# Allegro board ADRV9371-N_PCBZ_Layout_RevB.brd (continued)
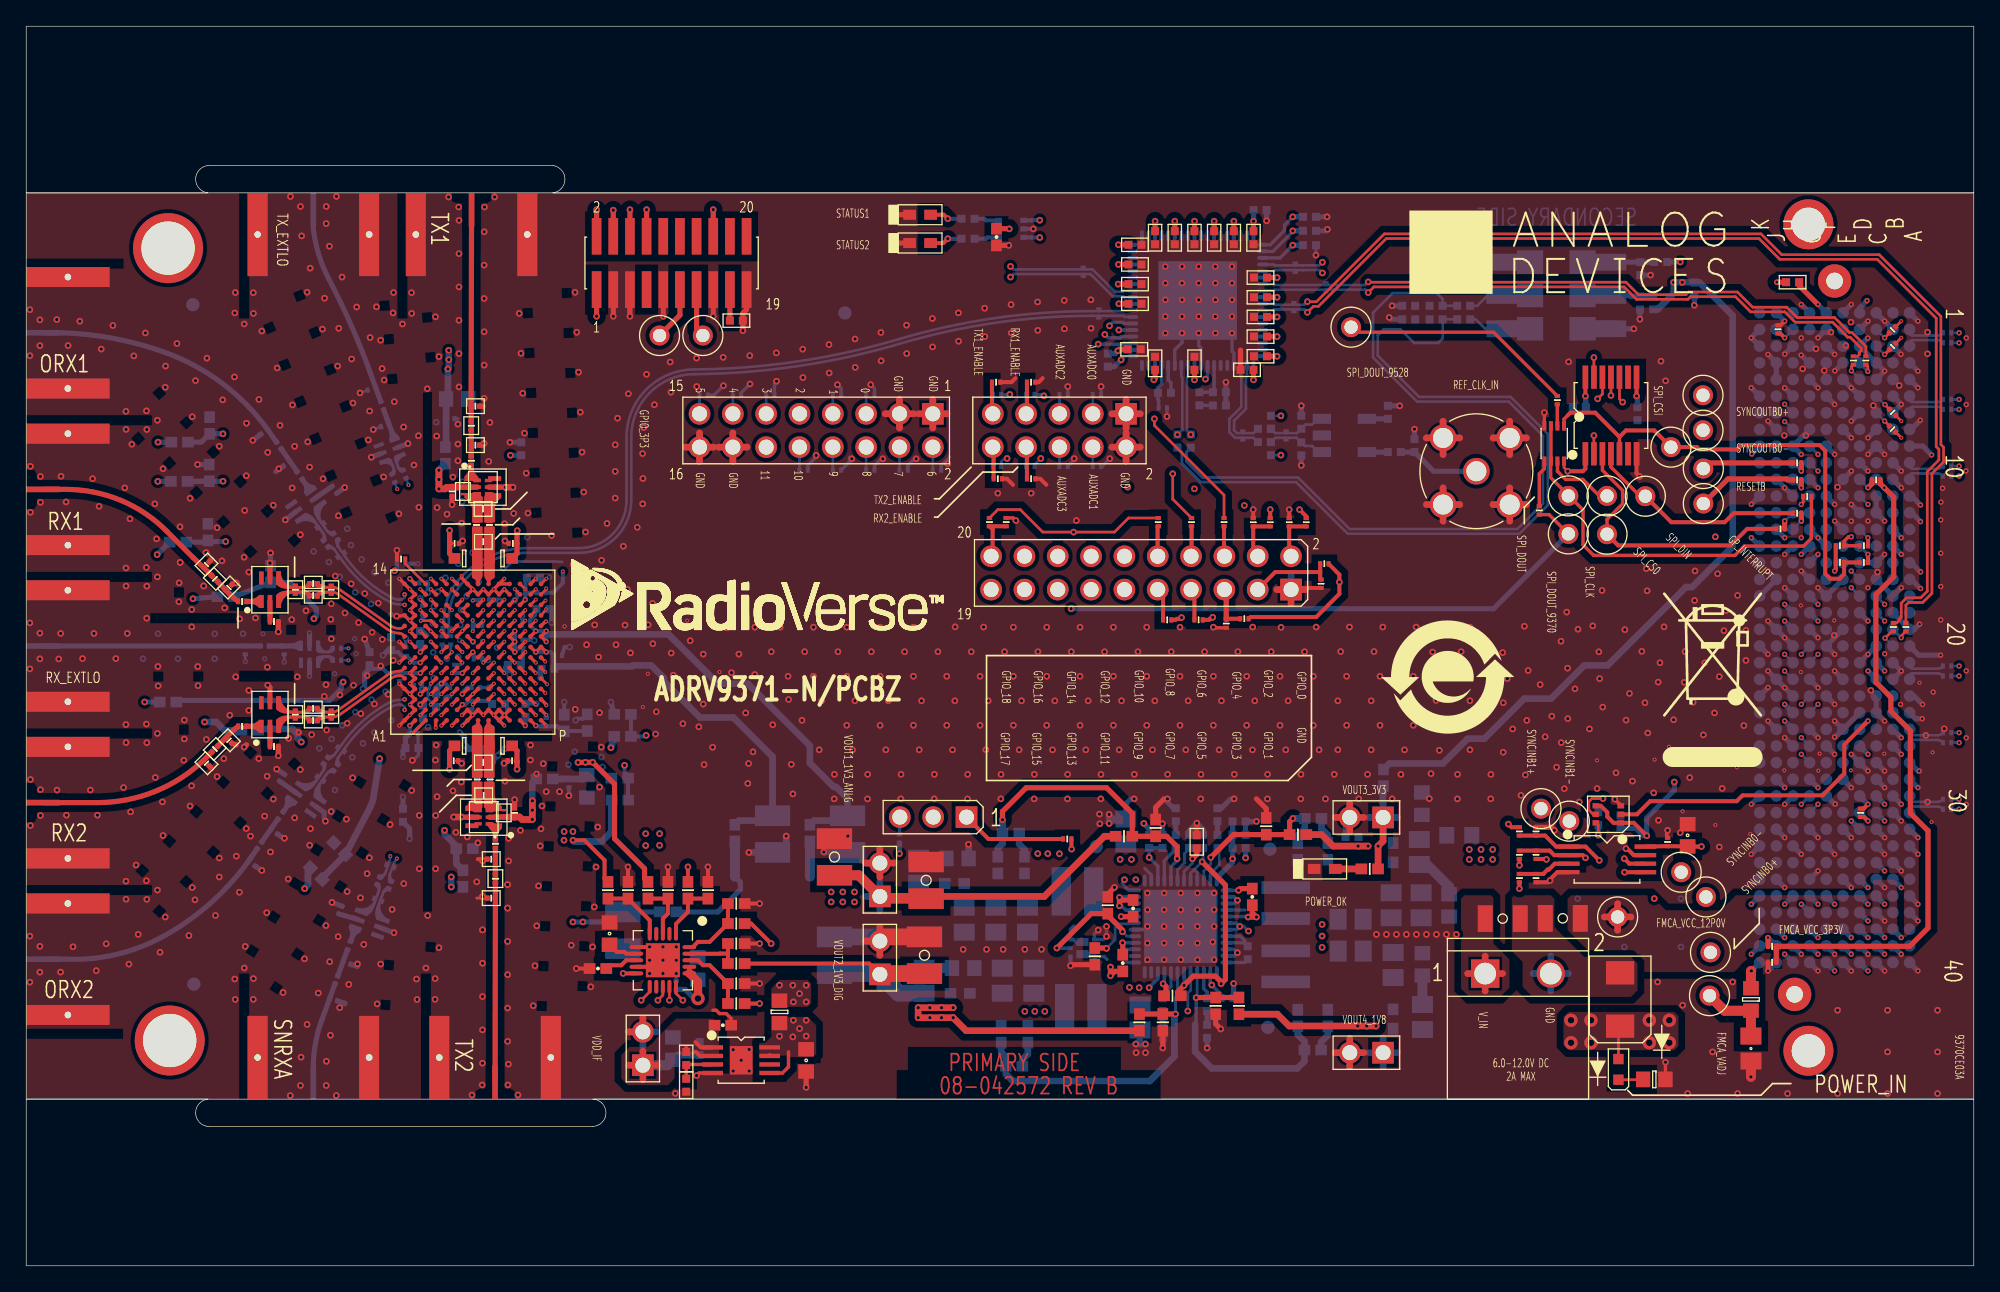
[diagram p0: board, top side]
## Footprints (pads in the part's own frame, mm; a bottom-side part is the same pattern mirrored in y, then rotated) (continued)
CNSAMTECTSW-108-08-G-D-ST
  rect 1.651x1.651 hole 1.143: 1(0,0)
  round 1.651 hole 1.143: 2(0,2.54) 3(2.54,0) 4(2.54,2.54) 5(5.08,0) 6(5.08,2.54) 7(7.62,0) 8(7.62,2.54) 9(10.16,0) 10(10.16,2.54) 11(12.7,0) 12(12.7,2.54) 13(15.24,0) 14(15.24,2.54) 15(17.78,0) 16(17.78,2.54)
CNWIELAND3225
  rect 2.159x2.159 hole 1.651: 1(0,0)
  round 2.159 hole 1.651: 2(5,0)
DO214AA3
  rect 1.778x2.159 smd: A(2.032,0) C(-2.032,0)
ETC1
  rect 0.762x1.397 smd: 1(-1.27,1.714) 2(0,1.714) 3(1.27,1.714) 4(1.27,-1.714) 5(-1.27,-1.714)
F1206
  rect 1.143x2.032 smd: 1(-1.333,0) 2(1.333,0)
L0201
  rect 0.178x0.33 smd: 1(-0.203,0) 2(0.203,0)
L0402
  rect 0.889x0.813 smd: 1(-0.635,0) 2(0.635,0)
L0603
  rect 0.889x0.813 smd: 1(-0.737,0)
  rect 0.594x0.813 smd: 2(0.737,0)
L0603#2
  rect 0.583x0.813 smd: 1(-0.737,0)
  rect 0.889x0.813 smd: 2(0.737,0)
L0603#3
  rect 0.889x0.813 smd: 1(-0.737,0) 2(0.737,0)
L0805
  rect 1.143x1.27 smd: 1(-0.953,0) 2(0.953,0)
LCC4H210
  rect 1.27x2.286 smd: 1(-2.54,-3.556) 2(2.54,-3.556) 3(2.54,3.556) 4(-2.54,3.556)
LED0603
  rect 0.965x0.762 smd: A(0.8,0) C(-0.8,0)
LED0603-2
  rect 0.787x0.787 smd: A(0.787,0) C(-0.787,0)
LSMSQ157H83
  rect 1.473x3.683 smd: 1(-1.232,0) 2(1.232,0)
LSMSQ157H122
  rect 0.965x3.708 smd: 1(-1.181,0) 2(1.181,0)
MSOP8_PAD2_16X1_73
  rect 0.33x1.575 smd: 1(-0.975,-2.171) 2(-0.325,-2.171) 3(0.325,-2.171) 4(0.975,-2.171) 5(0.975,2.171) 6(0.325,2.171) 7(-0.325,2.171) 8(-0.975,2.171)
  rect 2.159x1.727 smd: PAD(0,0)
POWERPAKSC70-6
  rect 0.305x0.33 smd: 1(-0.65,-0.91) 2(0,-0.91) 3(0.65,-0.91) 4(0.65,0.91) 5(0,0.91) 6(-0.65,0.91)
  rect 0.61x0.94 smd: PAD1(-0.465,0) PAD2(0.465,0)
QFN20_4X4_PAD2_6X2_6
  oval 0.305x1.041 smd: 1(-1,-2.019) 2(-0.5,-2.019) 3(0,-2.019) 4(0.5,-2.019) 5(1,-2.019) 11(1,2.019) 12(0.5,2.019) 13(0,2.019) 14(-0.5,2.019) 15(-1,2.019)
  oval 1.041x0.305 smd: 6(2.019,-1) 7(2.019,-0.5) 8(2.019,0) 9(2.019,0.5) 10(2.019,1) 16(-2.019,1) 17(-2.019,0.5) 18(-2.019,0) 19(-2.019,-0.5) 20(-2.019,-1)
  rect 2.591x2.591 smd: PAD(0,0)
QFN48_7X7_PAD5_6X5_6
  oval 0.305x0.94 smd: 1(-2.75,-3.5) 2(-2.25,-3.5) 3(-1.75,-3.5) 4(-1.25,-3.5) 5(-0.75,-3.5) 6(-0.25,-3.5) 7(0.25,-3.5) 8(0.75,-3.5) 9(1.25,-3.5) 10(1.75,-3.5) 11(2.25,-3.5) 12(2.75,-3.5) 25(2.75,3.5) 26(2.25,3.5) 27(1.75,3.5) 28(1.25,3.5) 29(0.75,3.5) 30(0.25,3.5) 31(-0.25,3.5) 32(-0.75,3.5) 33(-1.25,3.5) 34(-1.75,3.5) 35(-2.25,3.5) 36(-2.75,3.5)
  oval 0.94x0.305 smd: 13(3.5,-2.75) 14(3.5,-2.25) 15(3.5,-1.75) 16(3.5,-1.25) 17(3.5,-0.75) 18(3.5,-0.25) 19(3.5,0.25) 20(3.5,0.75) 21(3.5,1.25) 22(3.5,1.75) 23(3.5,2.25) 24(3.5,2.75) 37(-3.5,2.75) 38(-3.5,2.25) 39(-3.5,1.75) 40(-3.5,1.25) 41(-3.5,0.75) 42(-3.5,0.25) 43(-3.5,-0.25) 44(-3.5,-0.75) 45(-3.5,-1.25) 46(-3.5,-1.75) 47(-3.5,-2.25) 48(-3.5,-2.75)
  rect 5.588x5.588 smd: PAD(0,0)
QFN72_10X10_PAD5_3X5_3
  oval 0.305x0.838 smd: 1(-4.25,-4.95) 2(-3.75,-4.95) 3(-3.25,-4.95) 4(-2.75,-4.95) 5(-2.25,-4.95) 6(-1.75,-4.95) 7(-1.25,-4.95) 8(-0.75,-4.95) 9(-0.25,-4.95) 10(0.25,-4.95) 11(0.75,-4.95) 12(1.25,-4.95) 13(1.75,-4.95) 14(2.25,-4.95) 15(2.75,-4.95) 16(3.25,-4.95) 17(3.75,-4.95) 18(4.25,-4.95) 37(4.25,4.95) 38(3.75,4.95) 39(3.25,4.95) 40(2.75,4.95) 41(2.25,4.95) 42(1.75,4.95) 43(1.25,4.95) 44(0.75,4.95) 45(0.25,4.95) 46(-0.25,4.95) 47(-0.75,4.95) 48(-1.25,4.95) 49(-1.75,4.95) 50(-2.25,4.95) 51(-2.75,4.95) 52(-3.25,4.95) 53(-3.75,4.95) 54(-4.25,4.95)
  oval 0.838x0.305 smd: 19(4.95,-4.25) 20(4.95,-3.75) 21(4.95,-3.25) 22(4.95,-2.75) 23(4.95,-2.25) 24(4.95,-1.75) 25(4.95,-1.25) 26(4.95,-0.75) 27(4.95,-0.25) 28(4.95,0.25) 29(4.95,0.75) 30(4.95,1.25) 31(4.95,1.75) 32(4.95,2.25) 33(4.95,2.75) 34(4.95,3.25) 35(4.95,3.75) 36(4.95,4.25) 55(-4.95,4.25) 56(-4.95,3.75) 57(-4.95,3.25) 58(-4.95,2.75) 59(-4.95,2.25) 60(-4.95,1.75) 61(-4.95,1.25) 62(-4.95,0.75) 63(-4.95,0.25) 64(-4.95,-0.25) 65(-4.95,-0.75) 66(-4.95,-1.25) 67(-4.95,-1.75) 68(-4.95,-2.25) 69(-4.95,-2.75) 70(-4.95,-3.25) 71(-4.95,-3.75) 72(-4.95,-4.25)
  rect 5.994x5.994 smd: PAD(0,0)
R0201
  rect 0.305x0.406 smd: 1(-0.318,0) 2(0.318,0)
R0402
  rect 0.61x0.61 smd: 1(-0.495,0) 2(0.495,0)
R0402#2
  rect 0.889x0.813 smd: 1(-0.635,0) 2(0.635,0)
R0603
  rect 1.092x1.194 smd: 1(-0.851,0) 2(0.851,0)
SC70
  rect 0.406x0.508 smd: 1(-0.65,-0.95) 2(0,-0.95) 3(0.65,-0.95) 4(0.65,0.95) 5(0,0.95) 6(-0.65,0.95)
SC70-6
  rect 0.406x0.508 smd: 1(-0.65,-0.95) 2(0,-0.95) 3(0.65,-0.95) 4(0.65,0.95) 5(0,0.95) 6(-0.65,0.95)
T0603-6P
  rect 0.254x0.559 smd: 1(-0.504,-0.43) 2(0,-0.43) 3(0.504,-0.43) 4(0.504,0.43) 5(0,0.43) 6(-0.504,0.43)
T0805_A
  rect 0.305x0.787 smd: 1(-0.65,-0.644) 2(0,-0.644) 3(0.65,-0.644) 4(0.65,0.644) 5(0,0.644) 6(-0.65,0.644)
TSSOP8
  rect 0.33x1.651 smd: 1(-0.975,-2.92) 2(-0.325,-2.92) 3(0.325,-2.92) 4(0.975,-2.92) 5(0.975,2.92) 6(0.325,2.92) 7(-0.325,2.92) 8(-0.975,2.92)
TSSOP14
  rect 0.432x1.778 smd: 1(-1.95,-2.92) 2(-1.3,-2.92) 3(-0.65,-2.92) 4(0,-2.92) 5(0.65,-2.92) 6(1.3,-2.92) 7(1.95,-2.92) 8(1.95,2.92) 9(1.3,2.92) 10(0.65,2.92) 11(0,2.92) 12(-0.65,2.92) 13(-1.3,2.92) 14(-1.95,2.92)
unnamed#2
  round 3.81 hole 2.54 unplated: (0,0)
unnamed#3
  round 5.334 hole 4.064 unplated: (0,0)
unnamed#4
  round 1.016 smd: (0,0)
US8
  rect 0.305x0.711 smd: 1(-0.75,-1.343) 2(-0.25,-1.343) 3(0.25,-1.343) 4(0.75,-1.343) 5(0.75,1.343) 6(0.25,1.343) 7(-0.25,1.343) 8(-0.75,1.343)
XFMR2450BL15B050
  rect 0.356x0.991 smd: 1(-0.656,-0.895) 2(0,-0.895) 3(0.656,-0.895) 4(0.656,0.895) 5(0,0.895) 6(-0.656,0.895)
YSML276W197H71
  rect 1.803x2.007 smd: 1(-2.54,-2) 2(0,-2) 3(2.54,-2) 4(2.54,2) 5(0,2) 6(-2.54,2)
YSML555W358H240
  rect 1.27x2.54 smd: 1(-2.54,-4.064) 2(0,-4.064) 3(2.54,-4.064) 4(2.54,4.064) 5(0,4.064) 6(-2.54,4.064)

## Nets
AGND: C200.2(N2) C202.2(N2) C203.2(N2) C208.2(N2) C211.2(N2) C212.2(N2) C217.2(N2) C219.2(N2) C220.2(N2) C225.2(N2) C227.2(N2) C228.2(N2) C233.2(N2) C235.2(N2) C236.1(N1) C307.2(N2) C308.2(N2) C315.2(N2) C316.2(N2) C320.2(N2) C321.2(N2) C322.2(N2) C323.2(N2) C324.2(N2) C325.2(N2) C326.2(N2) C327.2(N2) C328.2(N2) C329.2(N2) C330.2(N2) C331.2(N2) C334.2(N2) C335.2(N2) C404.2(N2) C405.1(N1) C406.1(N1) C410.1(N1) C411.1(N1) C413.2(N2) C414.1(N1) C415.1(N1) C416.1(N1) C417.1(N1) C418.1(N1) C419.1(N1) C420.2(N2) C421.1(N1) C422.1(N1) C423.1(N1) C424.1(N1) C425.1(N1) C426.1(N1) C427.1(N1) C428.1(N1) C429.1(N1) C430.1(N1) C431.1(N1) C432.1(N1) C433.1(N1) C434.1(N1) C435.1(N1) C436.1(N1) C437.1(N1) C438.1(N1) C439.1(N1) C503.2(N2) C504.2(N2) C505.2(N2) C506.2(N2) C523.2(N2) C524.2(N2) C525.2(N2) C526.2(N2) C527.2(N2) C528.2(N2) C529.2(N2) C530.2(N2) C531.2(N2) C532.2(N2) C601.2(N2) C602.2(N2) C603.2(N2) C604.2(N2) C605.2(N2) C606.2(N2) C608.2(N2) C609.2(N2) C610.2(N2) C611.2(N2) C612.2(N2) C613.2(N2) C614.2(N2) C615.2(N2) C616.2(N2) C617.2(N2) C618.2(N2) C619.2(N2) C620.2(N2) C621.2(N2) C622.2(N2) C623.2(N2) C624.2(N2) C625.2(N2) C626.2(N2) C627.2(N2) C628.2(N2) C629.2(N2) C630.2(N2) C631.2(N2) C632.2(N2) C633.2(N2) C634.2(N2) C635.2(N2) C636.2(N2) C637.2(N2) C638.2(N2) C639.2(N2) C640.2(N2) C641.2(N2) C642.2(N2) C643.2(N2) C644.2(N2) C645.2(N2) C646.2(N2) C647.2(N2) C648.2(N2) C649.2(N2) C650.2(N2) C651.2(N2) C652.2(N2) C653.2(N2) C654.2(N2) C701.2(N2) C702.1(N1) C703.1(N1) C704.1(N1) C705.2(N2) C706.1(N1) C707.2(N2) C708.1(N1) C709.2(N2) C710.1(N1) C711.1(N1) C712.1(N1) C721.2(N2) C722.2(N2) C723.2(N2) C725.2(N2) C726.2(N2) C728.2(N2) C730.2(N2) C732.2(N2) C733.1(N1) C734.1(N1) C735.1(N1) C736.2(N2) C737.1(N1) C738.1(N1) C739.2(N2) C803.1(N1) C804.2(N2) D401.C(N) D402.C(N) DS702.C(N) J200.2(SH1) J200.3(SH2) J200.4(SH3) J200.5(SH4) J201.2(SH1) J201.3(SH2) J201.4(SH3) J201.5(SH4) J202.2(SH1) J202.3(SH2) J202.4(SH3) J202.5(SH4) J203.2(SH1) J203.3(SH2) J203.4(SH3) J203.5(SH4) J204.2(SH1) J204.3(SH2) J204.4(SH3) J204.5(SH4) J305.2(SH1) J305.3(SH2) J305.4(SH3) J305.5(SH4) J306.2(SH1) J306.3(SH2) J306.4(SH3) J306.5(SH4) J307.2(SH1) J307.3(SH2) J307.4(SH3) J307.5(SH4) J308.2(SH1) J308.3(SH2) J308.4(SH3) J308.5(SH4) J401.2(SH1) J401.3(SH2) J401.4(SH3) J401.5(SH4) L200.1(N1) L202.1(N1) L208.1(N1) L211.1(N1) L217.1(N1) L219.1(N1) L225.1(N1) L227.1(N1) L233.1(N1) L235.1(N1) L323.1(N1) L324.1(N1) L328.1(N1) L329.1(N1) P501.1(N1) P501.2(N2) P502.1(N1) P503.1(N1) P503.3(N2) P503.14(N7) P503.16(N8) P504.3(N2) P504.5(N3) P504.9(N5) P504.15(N8) P504.19(N10) P701.2(N2) P703.2(N2) P704.2(N2) P705.2(N2) P706.2(N2) P707.2(N2) P801.A1(N1) P801.A4(N4) P801.A5(N5) P801.A8(N8) P801.A9(N9) P801.A12(N12) P801.A13(N13) P801.A16(N16) P801.A17(N17) P801.A20(N20) P801.A21(N21) P801.A24(N24) P801.A25(N25) P801.A28(N28) P801.A29(N29) P801.A32(N32) P801.A33(N33) P801.A36(N36) P801.A37(N37) P801.A40(N40) P801.B2(N2) P801.B3(N3) P801.B6(N6) P801.B7(N7) P801.B10(N10) P801.B11(N11) P801.B14(N14) P801.B15(N15) P801.B18(N18) P801.B19(N19) P801.B22(N22) P801.B23(N23) P801.B26(N26) P801.B27(N27) P801.B30(N30) P801.B31(N31) P801.B34(N34) P801.B35(N35) P801.B38(N38) P801.B39(N39) P801.C1(N1) P801.C4(N4) P801.C5(N5) P801.C8(N8) P801.C9(N9) P801.C12(N12) P801.C13(N13) P801.C16(N16) P801.C17(N17) P801.C20(N20) P801.C21(N21) P801.C24(N24) P801.C25(N25) P801.C28(N28) P801.C29(N29) P801.C32(N32) P801.C33(N33) P801.C36(N36) P801.C38(N38) P801.C40(N40) P801.D2(N2) P801.D3(N3) P801.D6(N6) P801.D7(N7) P801.D10(N10) P801.D13(N13) P801.D16(N16) P801.D19(N19) P801.D22(N22) P801.D25(N25) P801.D28(N28) P801.D37(N37) P801.D39(N39) P801.E1(N1) P801.E4(N4) P801.E5(N5) P801.E8(N8) P801.E11(N11) P801.E14(N14) P801.E17(N17) P801.E20(N20) P801.E23(N23) P801.E26(N26) P801.E29(N29) P801.E32(N32) P801.E35(N35) P801.E38(N38) P801.E40(N40) P801.F2(N2) P801.F3(N3) P801.F6(N6) P801.F9(N9) P801.F12(N12) P801.F15(N15) P801.F18(N18) P801.F21(N21) P801.F24(N24) P801.F27(N27) P801.F30(N30) P801.F33(N33) P801.F36(N36) P801.F39(N39) P801.G1(N1) P801.G4(N4) P801.G5(N5) P801.G8(N8) P801.G11(N11) P801.G14(N14) P801.G17(N17) P801.G20(N20) P801.G23(N23) P801.G26(N26) P801.G29(N29) P801.G32(N32) P801.G35(N35) P801.G38(N38) P801.G40(N40) P801.H3(N3) P801.H6(N6) P801.H9(N9) P801.H12(N12) P801.H15(N15) P801.H18(N18) P801.H21(N21) P801.H24(N24) P801.H27(N27) P801.H30(N30) P801.H33(N33) P801.H36(N36) P801.H39(N39) P801.J1(N1) P801.J4(N4) P801.J5(N5) P801.J8(N8) P801.J11(N11) P801.J14(N14) P801.J17(N17) P801.J20(N20) P801.J23(N23) P801.J26(N26) P801.J29(N29) P801.J32(N32) P801.J35(N35) P801.J38(N38) P801.J40(N40) P801.K2(N2) P801.K3(N3) P801.K6(N6) P801.K9(N9) P801.K12(N12) P801.K15(N15) P801.K18(N18) P801.K21(N21) P801.K24(N24) P801.K27(N27) P801.K30(N30) P801.K33(N33) P801.K36(N36) P801.K39(N39) Q701.1(S1) Q701.4(S2) R203.2(N2) R212.2(N2) R220.2(N2) R228.2(N2) R236.2(N2) R401.1(N1) R402.1(N1) R403.1(N1) R404.2(N2) R409.1(N1) R417.1(N1) R418.2(N2) R419.2(N2) R428.2(N2) R504.2(N2) R505.1(N1) R506.2(N2) R507.2(N2) R508.2(N2) R509.2(N2) R514.2(N2) R515.2(N2) R516.2(N2) R517.2(N2) R518.2(N2) R525.1(N1) R603.2(N2) R605.1(N1) R607.1(N1) R609.1(N1) R611.1(N1) R613.1(N1) R701.1(N1) R706.2(N2) R710.2(N2) R713.2(N2) R714.2(N2) R718.1(N1) R719.1(N1) R720.1(N1) R724.1(N1) R728.1(N1) R732.2(N2) R733.2(N2) R734.2(N2) R737.2(N2) R740.1(N1) R801.1(N1) R819.1(N1) R821.1(N1) R823.1(N1) T200.5(GND) T201.5(GND) T202.5(GND) T203.5(GND) T204.5(GND) T305.5(GND) T306.5(GND) T307.2(GND1) T307.5(GND2) T308.2(GND1) T308.5(GND2) T309.5(GND) T310.5(GND) U101.A1(VSSA1) U101.A4(VSSA2) U101.A7(VSSA3) U101.A8(VSSA4) U101.A11(VSSA5) U101.A14(VSSA6) U101.B2(VSSA7) U101.B3(VSSA8) U101.B4(VSSA9) U101.B5(VSSA10) U101.B6(VSSA11) U101.B9(VSSA12) U101.B10(VSSA13) U101.B11(VSSA14) U101.B12(VSSA15) U101.B13(VSSA16) U101.C5(VSSA17) U101.C9(VSSA18) U101.C10(VSSA19) U101.D2(SNRXC-) U101.D3(SNRXB-) U101.D6(VSSA20) U101.D7(VSSA21) U101.D8(VSSA22) U101.D9(VSSA23) U101.E2(SNRXC+) U101.E3(SNRXB+) U101.E6(VSSA24) U101.E9(VSSA25) U101.E10(VSSA71) U101.F3(VSSA26) U101.F4(VSSA27) U101.F5(VSSA28) U101.F6(VSSA29) U101.F7(VSSA30) U101.F8(VSSA31) U101.F9(VSSA32) U101.F10(VSSA33) U101.G1(VSSA34) U101.G2(VSSA35) U101.G3(VSSA36) U101.G5(VSSA37) U101.G10(VSSA38) U101.G11(VSSA39) U101.G12(VSSA40) U101.G13(VSSA41) U101.G14(VSSA42) U101.H2(VSSA43) U101.H3(VSSA44) U101.H4(VSSA45) U101.H5(VSSA46) U101.H6(VSSA47) U101.H7(VSSA48) U101.H8(VSSA49) U101.H9(VSSA50) U101.H10(VSSA51) U101.H13(VSSA52) U101.J2(VSSA53) U101.J13(VSSA54) U101.K1(VSSA55) U101.K2(VSSA56) U101.K13(VSSA57) U101.K14(VSSA58) U101.L1(VSSA59) U101.L2(VSSA60) U101.L7(VSSD1) U101.L10(VSSD2) U101.L13(VSSA61) U101.L14(VSSA62) U101.M2(VSSA63) U101.M9(VSSA64) U101.N2(VSSA65) U101.N7(VSSA66) U101.N14(VSSA67) U101.P1(VSSA72) U101.P2(VSSA68) U101.P3(VSSA69) U101.P10(VSSA70) U401.4(REF_SEL) U401.9(NIC1) U401.13(NIC2) U401.PAD U402.2(GND) U403.4(GND) U404.3(GND) U405.7(GND) U601.6(GND1) U601.9(GND) U601.PAD U701.2(PGND3_1) U701.3(PGND3_2) U701.10(PGND4_1) U701.11(PGND4_2) U701.30(PGND) U701.PAD(EP) U702.4(GND) U702.PAD(EP) U801.4(VSS) U801.7(WC_N) Y401.3(GND) Y402.3(GND) Y403.2(GND)
VDD_IF: C415.2(N2) C417.2(N2) C419.2(N2) C642.1(N1) C643.1(N1) C734.2(N2) C735.2(N2) P504.1(N1) P707.1(N1) P801.J39(N39) P801.K40(N40) R502.1(N1) R503.1(N1) R510.1(N1) R511.1(N1) R512.1(N1) R513.1(N1) R606.1(N1) R738.2(N2) R739.2(N2) R808.1(N1) R809.1(N1) U101.M12(VDD_IF) U403.8(VCC) U404.1(VCCA) U404.4(EN) U405.1(VCCA) U405.8(EN) U702.1(VOUT1) U702.2(VOUT2)
VDD_IF_LDO: C733.2(N2) R736.2(N2) U702.5(EN) U702.7(VIN1) U702.8(VIN2)
VDDA_1P8_1: C327.1(N1) L306.1(N1) L341.2(N2) T306.2(GND_DC_FEED_RFGND) T310.2(GND_DC_FEED_RFGND)
VDDA_1P8_2: C322.1(N1) L305.1(N1) L340.2(N2) T305.2(GND_DC_FEED_RFGND) T309.2(GND_DC_FEED_RFGND)
VDDA_CALPLL: C614.1(N1) C615.1(N1) E602.2(N2) U101.G4(VDDA_CALPLL)
VDDA_CLK: C616.1(N1) C617.1(N1) E603.2(N2) U101.N1(VDDA_CLK)
VDDA_CLKSYNTH: C618.1(N1) C619.1(N1) E604.2(N2) U101.G6(VDDA_CLKSYNTH)
VDDA_DES: C652.1(N1) C653.1(N1) C654.1(N1) E613.2(N2) U101.N9(VDDA_DES) U101.P9(JESD_VTT_DES)
VDDA_RXLO: C620.1(N1) C621.1(N1) E605.2(N2) U101.C6(VDDA_RXLO)
VDDA_RXSYNTH: C622.1(N1) C623.1(N1) E606.2(N2) U101.G9(VDDA_RXSYNTH)
VDDA_RXTX: C608.1(N1) C609.1(N1) C610.1(N1) R601.2(N2) U101.F2(VDDA_RXTX)
VDDA_RXVCO: C624.1(N1) C625.1(N1) E607.2(N2) U101.C7(VDDA_RXVCO)
VDDA_SER: C611.1(N1) C612.1(N1) C613.1(N1) E601.2(N2) U101.N8(VDDA_SER) U101.P8(VDDA_SER1)
VDDA_SNRXSYNTH: C626.1(N1) C627.1(N1) E608.2(N2) U101.G7(VDDA_SNRXSYNTH)
VDDA_SNRXVCO: C628.1(N1) C629.1(N1) E609.2(N2) U101.C4(VDDA_SNRXVCO)
VDDA_TXLO: C634.1(N1) C635.1(N1) E612.2(N2) U101.F12(VDDA_TXLO)
VDDA_TXSYNTH: C632.1(N1) C633.1(N1) E611.2(N2) U101.G8(VDDA_TXSYNTH)
VDDA_TXVCO: C630.1(N1) C631.1(N1) E610.2(N2) U101.F11(VDDA_TXVCO)
1P3_BUCK_OUT: C716.2(N2) C725.1(N1) C726.1(N1) E702.1(N1) L701.2(N2) R705.1(N1) R722.2(N2)
3P3V_CLK: C414.2(N2) C416.2(N2) C418.2(N2) C420.1(N1) C421.2(N2) C422.2(N2) C423.2(N2) C424.2(N2) C425.2(N2) C426.2(N2) C427.2(N2) C428.2(N2) C429.2(N2) C430.2(N2) C431.2(N2) C432.2(N2) C433.2(N2) C434.2(N2) C435.2(N2) C436.2(N2) C437.2(N2) C438.2(N2) C439.2(N2) E705.2(N2) R416.1(N1) U401.1(VDD_1) U401.10(VDD_2) U401.16(VDD_3) U401.20(VDD_4) U401.27(VDD13) U401.30(VDD12) U401.33(VDD11) U401.36(VDD10) U401.39(VDD9) U401.42(VDD8) U401.45(VDD7) U401.48(VDD6) U401.51(VDD5) U401.54(VDD4) U401.60(VDD3) U401.63(VDD2) U401.66(VDD1) U401.69(VDD0) U401.72(VDD_5) U402.5(VCC) U404.6(VCCY) U405.14(VCCY)
3P3V_VCO: C405.2(N2) C738.2(N2) E706.2(N2) R408.2(N2) Y401.6(VDD) Y402.6(POS_VS) Y403.4(VDD)
3P3VAUX: C648.1(N1) C649.1(N1) C803.2(N2) C804.1(N1) P801.D32(N32) R818.2(N2) R820.2(N2) R822.2(N2) U601.10(VDD) U601.16(VDRIVE) U601.17(PD_N/RST_N) U801.8(VCC)
ADP5054_EN: P801.D1(N1) R702.1(N1)
ADP5054_VREG: C702.2(N2) R703.2(N2) U701.13(CFG34) U701.18(CFG12) U701.44(SYNC/MODE) U701.45(VREG)
AUXADC_0: C506.1(N1) P501.3(N3) U101.E13(AUXADC_0)
AUXADC_1: C505.1(N1) P501.4(N4) U101.C11(AUXADC_1)
AUXADC_2: C504.1(N1) P501.5(N5) U101.C12(AUXADC_2)
AUXADC_3: C503.1(N1) P501.6(N6) U101.D11(AUXADC_3)
BAL_TX1+: C303.1(N1) C309.2(N2) L303.2(N2) L305.2(N2) R309.2(N2) T305.3(BAL_OUT1) T309.3(BAL_OUT1)
BAL_TX1-: C303.2(N2) C310.2(N2) L303.1(N1) R310.2(N2) T305.4(BAL_OUT2) T309.4(BAL_OUT2)
BAL_TX2+: C304.1(N1) C317.2(N2) L304.2(N2) L306.2(N2) R317.2(N2) T306.3(BAL_OUT1) T310.3(BAL_OUT1)
BAL_TX2-: C304.2(N2) C318.2(N2) L304.1(N1) R318.2(N2) T306.4(BAL_OUT2) T310.4(BAL_OUT2)
BAL_TX_OUT1: C305.1(N1) R303.1(N1) T305.1(UNBAL_IN) T309.1(UNBAL_IN)
BAL_TX_OUT2: C306.1(N1) R304.1(N1) T306.1(UNBAL_IN) T310.1(UNBAL_IN)
CLK+: C402.2(N2) R406.1(N1) U401.2(REFA)
CLK-: C403.2(N2) R406.2(N2) U401.3(REFA_N)
CLK_RESETB: R416.2(N2) U401.19(RESET_N) U404.5(Y)
CLK_SYSREF_REQUEST: R417.2(N2) U401.57(SYSREF_REQ) U405.13(Y1)
COMP_OUT: R411.1(N1) Y401.5(COMP_OUT) Y402.5(NC)
DEV_CLK_IN+: C502.1(N1) R425.1(N1) R501.2(N2) U401.25(OUT13)
DEV_CLK_IN-: C501.1(N1) R425.2(N2) R501.1(N1) U401.26(OUT13_N)
DIR_CLK+: C402.1(N1) C409.1(N1) R403.2(N2) R405.1(N1) T401.1(N1)
DIR_CLK-: C403.1(N1) C407.1(N1) R404.1(N1) R405.2(N2) T401.3(N2)
EPROM_A0: P801.C34(N34) R818.1(N1) R819.2(N2) U601.11(AS0) U801.1(E0)
EPROM_A1: P801.D35(N35) R820.1(N1) R821.2(N2) U601.13(AS1) U801.2(E1)
FMC_CLK_RESETB: P801.D26(N26) U404.2(A)
FMC_SYSREF_REQUEST: P801.D27(N27) U405.2(A1)
FMCA_SCL: P801.C30(N30) U601.15(SCL) U801.6(SCL)
FMCA_SDA: P801.C31(N31) U601.14(SDA) U801.5(SDA)
FMCA_VADJ: C732.1(N1) P801.E39(N39) P801.F40(N40) P801.G39(N39) P801.H40(N40) R738.1(N1) TP812.1(N1)
FMCA_VCC_3P3V: P801.C39(N39) P801.D36(N36) P801.D38(N38) P801.D40(N40) TP816.1(N1)
FMCA_VCC_12P0V: F701.1(N1) P801.C35(N35) P801.C37(N37) TP815.1(N1)
FPGA_AUX_CLK+: C805.1(N1) R429.1(N1) U401.61(OUT2)
FPGA_AUX_CLK-: C806.1(N1) R429.2(N2) U401.62(OUT2_N)
FPGA_REF_CLK+: C801.2(N2) R422.1(N1) U401.64(OUT1)
FPGA_REF_CLK-: C802.2(N2) R422.2(N2) U401.65(OUT1_N)
FPGA_SYSREF+: P801.G36(N36) R423.2(N2) U401.58(OUT3)
FPGA_SYSREF-: P801.G37(N37) R423.1(N1) U401.59(OUT3_N)
GP_INTERRUPT: R803.1(N1) TP803.1(N1) U101.J5(GP_INTERRUPT)
GPIO_0: P502.2(N2) P801.H19(N19) R513.2(N2) R517.1(N1) U101.K8(GPIO_0)
GPIO_1: P502.3(N3) P801.H20(N20) R512.2(N2) R516.1(N1) U101.J8(GPIO_1)
GPIO_2: P502.4(N4) P801.G18(N18) R511.2(N2) R515.1(N1) U101.J7(GPIO_2)
GPIO_3: P502.5(N5) P801.G19(N19) R510.2(N2) R514.1(N1) U101.K7(GPIO_3)
GPIO_3P3_0: C523.1(N1) P503.5(N3) U101.C1(GPIO_3P3_0)
GPIO_3P3_1: C524.1(N1) P503.7(N4) U101.C2(GPIO_3P3_1)
GPIO_3P3_2: P503.9(N5) U101.F1(GPIO_3P3_2)
GPIO_3P3_3: C525.1(N1) P503.11(N6) U101.D1(GPIO_3P3_3)
GPIO_3P3_4: C526.1(N1) P503.13(N7) U101.E1(GPIO_3P3_4)
GPIO_3P3_5: C527.1(N1) P503.15(N8) U101.D5(GPIO_3P3_5)
GPIO_3P3_6: C528.1(N1) P503.2(N1) U101.E14(GPIO_3P3_6)
GPIO_3P3_7: C529.1(N1) P503.4(N2) U101.D12(GPIO_3P3_7)
GPIO_3P3_8: C530.1(N1) P503.6(N3) U101.D13(GPIO_3P3_8)
GPIO_3P3_9: C531.1(N1) P503.8(N4) U101.C13(GPIO_3P3_9)
GPIO_3P3_10: C532.1(N1) P503.10(N5) U101.D14(GPIO_3P3_10)
GPIO_3P3_11: P503.12(N6) U101.F14(GPIO_3P3_11)
GPIO_4: P502.6(N6) P801.H25(N25) R524.1(N1) U101.K6(GPIO_4)
GPIO_5: P502.7(N7) P801.H26(N26) R522.1(N1) U101.K5(GPIO_5)
GPIO_6: P502.8(N8) P801.C22(N22) R523.1(N1) U101.L5(GPIO_6)
GPIO_7: P502.9(N9) P801.C23(N23) R519.1(N1) U101.L6(GPIO_7)
GPIO_8: P502.10(N10) P801.G25(N25) R520.1(N1) U101.L12(GPIO_8)
GPIO_9: P502.11(N11) P801.H22(N22) U101.K12(GPIO_9)
GPIO_10: P502.12(N12) P801.H23(N23) U101.J12(GPIO_10)
GPIO_11: P502.13(N13) P801.G21(N21) U101.H12(GPIO_11)
GPIO_12: P502.14(N14) P801.G22(N22) U101.H11(GPIO_12)
GPIO_13: P502.15(N15) P801.G31(N31) U101.J11(GPIO_13)
GPIO_14: P502.16(N16) P801.G30(N30) U101.K11(GPIO_14)
GPIO_15: P502.17(N17) P801.G24(N24) U101.L11(GPIO_15)
GPIO_16: P502.18(N18) P801.G16(N16) U101.M11(GPIO_16)
GPIO_17: P502.19(N19) P801.G15(N15) U101.M10(GPIO_17)
GPIO_18: P502.20(N20) P801.D12(N12) R518.1(N1) R521.1(N1) U101.J3(GPIO_18)
INPUT_VOLTAGE: C701.1(N1) C705.1(N1) C707.1(N1) C709.1(N1) CR701.C(N) DS701.A(P) R602.2(N2) R709.1(N1) U701.6(PVIN3) U701.7(PVIN4) U701.22(PVIN2_1) U701.23(PVIN2_2) U701.24(PVIN2_3) U701.36(PVIN1_1) U701.37(PVIN1_2) U701.38(PVIN1_3)
JTAG_TDI: P801.D30(N30) R815.2(N2)
JTAG_TDO: P801.D31(N31) R815.1(N1)
LDO_VCO_2P5: C412.1(N1) C413.1(N1) U401.15(LDO_VCO)
LF_EXT_CAP: C410.2(N2) R415.2(N2) U401.7(LF1)
LF_PLL2: C412.2(N2) U401.14(LF2_CAP)
ORX1+: C231.2(N2) C232.2(N2) L231.1(N1) L232.1(N1) R231.2(N2) U101.A12(ORX1+)
ORX1-: C230.2(N2) C232.1(N1) L230.1(N1) L232.2(N2) R230.2(N2) U101.A13(ORX1-)
ORX2+: C239.2(N2) C240.2(N2) L239.1(N1) L240.1(N1) R239.2(N2) U101.A2(ORX2+)
ORX2-: C238.2(N2) C240.1(N1) L238.1(N1) L240.2(N2) R238.2(N2) U101.A3(ORX2-)
OUT: R410.1(N1) Y401.4(OUT) Y402.4(OUTPUT) Y403.3(OUT)
RESETB: R502.2(N2) R802.1(N1) TP804.1(N1) U101.J4(RESETB)
RX1+: C205.2(N2) C207.1(N1) L205.1(N1) L207.1(N1) R205.2(N2) U101.A9(RX1+)
RX1-: C206.2(N2) C207.2(N2) L206.1(N1) L207.2(N2) R206.2(N2) U101.A10(RX1-)
RX1_ENABLE: P501.7(N7) R508.1(N1) R814.1(N1) U101.M5(RX1_ENABLE)
RX2+: C214.2(N2) C216.1(N1) L214.1(N1) L216.1(N1) R214.2(N2) U101.A5(RX2+)
RX2-: C215.2(N2) C216.2(N2) L215.1(N1) L216.2(N2) R215.2(N2) U101.A6(RX2-)
RX2_ENABLE: P501.8(N8) R509.1(N1) R817.1(N1) U101.M7(RX2_ENABLE)
RX_EXTLO+: C332.2(N2) U101.B8(RX_EXTLO+)
RX_EXTLO-: C333.2(N2) U101.B7(RX_EXTLO-)
SERDIN0+: C508.1(N1) P801.A26(N26)
SERDIN0-: C507.1(N1) P801.A27(N27)
SERDIN1+: C510.1(N1) P801.C2(N2)
SERDIN1-: C509.1(N1) P801.C3(N3)
SERDIN2+: C512.1(N1) P801.A30(N30)
SERDIN2-: C511.1(N1) P801.A31(N31)
SERDIN3+: C514.1(N1) P801.A22(N22)
SERDIN3-: C513.1(N1) P801.A23(N23)
SERDOUT0+: C516.1(N1) P801.A2(N2)
SERDOUT0-: C515.1(N1) P801.A3(N3)
SERDOUT1+: C518.1(N1) P801.A6(N6)
SERDOUT1-: C517.1(N1) P801.A7(N7)
SERDOUT2+: C520.1(N1) P801.C6(N6)
SERDOUT2-: C519.1(N1) P801.C7(N7)
SERDOUT3+: C522.1(N1) P801.A10(N10)
SERDOUT3-: C521.1(N1) P801.A11(N11)
SNRXA+: C222.2(N2) C224.1(N1) L222.1(N1) L224.1(N1) R222.2(N2) U101.E4(SNRXA+)
SNRXA-: C223.2(N2) C224.2(N2) L223.1(N1) L224.2(N2) R223.2(N2) U101.D4(SNRXA-)
SPI_CLK: R804.1(N1) TP802.1(N1) U101.K9(SCLK) U405.3(A2)
SPI_CLK_9528: U401.22(SCLK/SCL) U405.12(Y2)
SPI_CS0: R808.2(N2) R811.1(N1) TP813.1(N1) U101.K10(CSB) U403.7(OE2_N)
SPI_CS1: R809.2(N2) R812.1(N1) TP814.1(N1) U403.1(OE1_N) U405.5(A4)
SPI_CS_9528: U401.21(CS_N) U405.10(Y4)
SPI_DIN: R805.1(N1) TP801.1(N1) U101.J9(SDIO) U405.4(A3)
SPI_DIN_9528: U401.23(SDIO/SDA) U405.11(Y3)
SPI_DOUT: R806.1(N1) TP809.1(N1) U403.3(Y2) U403.6(Y1)
SPI_DOUT_9370: R427.2(N2) TP402.1(N1) U101.J10(SDO)
SPI_DOUT_9528: R426.2(N2) TP401.1(N1) U401.24(SDO)
STATUS_0: R418.1(N1) U401.55(STATUS0/SP0) U402.1(A1)
STATUS_1: R419.1(N1) U401.56(STATUS1/SP1) U402.3(A2)
SYNCINB0+: P801.G9(N9) TP807.1(N1) U101.M4(SYNCINB0+)
SYNCINB0-: P801.G10(N10) TP808.1(N1) U101.M3(SYNCINB0-)
SYNCINB1+: P801.G27(N27) TP810.1(N1) U101.L4(SYNCINB1+)
SYNCINB1-: P801.G28(N28) TP811.1(N1) U101.L3(SYNCINB1-)
SYNCOUTB0+: P801.H7(N7) TP805.1(N1) U101.M13(SYNCOUTB0+)
SYNCOUTB0-: P801.H8(N8) TP806.1(N1) U101.M14(SYNCOUTB0-)
SYSREF_IN+: R424.2(N2) U101.K3(SYSREF_IN+) U401.28(OUT12)
SYSREF_IN-: R424.1(N1) U101.K4(SYSREF_IN-) U401.29(OUT12_N)
TEST: R503.2(N2) R504.1(N1) R810.1(N1) U101.J6(TEST)
TRI_STATE: R408.1(N1) R409.2(N2) Y401.2(TRI_STATE) Y402.2(ENABLE_DISABLE)
TX1+: C309.1(N1) C311.1(N1) L307.1(N1) L311.2(N2) R309.1(N1) U101.H14(TX1+)
TX1-: C310.1(N1) C311.2(N2) L308.2(N2) L311.1(N1) R310.1(N1) U101.J14(TX1-)
TX1_ENABLE: P501.9(N9) R507.1(N1) R813.1(N1) U101.M6(TX1_ENABLE)
TX2+: C317.1(N1) C319.1(N1) L315.1(N1) L319.2(N2) R317.1(N1) U101.J1(TX2+)
TX2-: C318.1(N1) C319.2(N2) L316.2(N2) L319.1(N1) R318.1(N1) U101.H1(TX2-)
TX2_ENABLE: P501.10(N10) R506.1(N1) R816.1(N1) U101.M8(TX2_ENABLE)
TX_EXTLO+: C336.2(N2) U101.E12(TX_EXTLO+)
TX_EXTLO-: C337.2(N2) U101.E11(TX_EXTLO-)
UNNAMED_3_CAP_I2_N1: C204.2(N2) C206.1(N1) L204.2(N2) L206.2(N2) R206.1(N1) T200.4(BAL_OUT2)
UNNAMED_3_CAP_I3_N1: C204.1(N1) C205.1(N1) L204.1(N1) L205.2(N2) R205.1(N1) T200.3(BAL_OUT1)
UNNAMED_3_CAP_I11_N1: C200.1(N1) C201.1(N1) J200.1(CNTR) L200.2(N2) L201.2(N2) R201.1(N1)
UNNAMED_3_CAP_I74_N2: C201.2(N2) C202.1(N1) C245.1(N1) L201.1(N1) L202.2(N2) R201.2(N2) R202.1(N1)
UNNAMED_3_CAP_I79_N1: C203.1(N1) R203.1(N1) T200.2(GND_DC_FEED_RFGND)
UNNAMED_3_CAP_I109_N1: C213.1(N1) C214.1(N1) L213.1(N1) L214.2(N2) R214.1(N1) T201.3(BAL_OUT1)
UNNAMED_3_CAP_I109_N2: C213.2(N2) C215.1(N1) L213.2(N2) L215.2(N2) R215.1(N1) T201.4(BAL_OUT2)
UNNAMED_3_CAP_I115_N1: C208.1(N1) C209.1(N1) J201.1(CNTR) L208.2(N2) L209.2(N2) R209.1(N1)
UNNAMED_3_CAP_I115_N2: C209.2(N2) C211.1(N1) C241.1(N1) L209.1(N1) L211.2(N2) R204.1(N1) R209.2(N2)
UNNAMED_3_CAP_I126_N1: C217.1(N1) C218.1(N1) J202.1(CNTR) L217.2(N2) L218.2(N2) R218.1(N1)
UNNAMED_3_CAP_I126_N2: C218.2(N2) C219.1(N1) C242.1(N1) L218.1(N1) L219.2(N2) R207.1(N1) R218.2(N2)
UNNAMED_3_CAP_I127_N1: C220.1(N1) R220.1(N1) T202.2(GND_DC_FEED_RFGND)
UNNAMED_3_CAP_I137_N1: C221.1(N1) C222.1(N1) L221.1(N1) L222.2(N2) R222.1(N1) T202.4(BAL_OUT2)
UNNAMED_3_CAP_I137_N2: C221.2(N2) C223.1(N1) L221.2(N2) L223.2(N2) R223.1(N1) T202.3(BAL_OUT1)
UNNAMED_3_CAP_I141_N1: C229.1(N1) C230.1(N1) L229.2(N2) L230.2(N2) R230.1(N1) T203.3(BAL_OUT1)
UNNAMED_3_CAP_I141_N2: C229.2(N2) C231.1(N1) L229.1(N1) L231.2(N2) R231.1(N1) T203.4(BAL_OUT2)
UNNAMED_3_CAP_I162_N1: C225.1(N1) C226.1(N1) J203.1(CNTR) L225.2(N2) L226.2(N2) R226.1(N1)
UNNAMED_3_CAP_I162_N2: C226.2(N2) C227.1(N1) C243.1(N1) L226.1(N1) L227.2(N2) R208.1(N1) R226.2(N2)
UNNAMED_3_CAP_I167_N1: C228.1(N1) R228.1(N1) T203.2(GND_DC_FEED_RFGND)
UNNAMED_3_CAP_I173_N1: C233.1(N1) C234.1(N1) J204.1(CNTR) L233.2(N2) L234.2(N2) R234.1(N1)
UNNAMED_3_CAP_I173_N2: C234.2(N2) C235.1(N1) C244.1(N1) L234.1(N1) L235.2(N2) R210.1(N1) R234.2(N2)
UNNAMED_3_CAP_I178_N2: C236.2(N2) R236.1(N1) T204.2(GND_DC_FEED_RFGND)
UNNAMED_3_CAP_I188_N1: C237.1(N1) C238.1(N1) L237.2(N2) L238.2(N2) R238.1(N1) T204.3(BAL_OUT1)
UNNAMED_3_CAP_I188_N2: C237.2(N2) C239.1(N1) L237.1(N1) L239.2(N2) R239.1(N1) T204.4(BAL_OUT2)
UNNAMED_3_CAP_I191_N1: C212.1(N1) R212.1(N1) T201.2(GND_DC_FEED_RFGND)
UNNAMED_3_CAP_I192_N2: C245.2(N2) R202.2(N2) T200.1(UNBAL_IN)
UNNAMED_3_CAP_I194_N2: C241.2(N2) R204.2(N2) T201.1(UNBAL_IN)
UNNAMED_3_CAP_I197_N2: C242.2(N2) R207.2(N2) T202.1(UNBAL_IN)
UNNAMED_3_CAP_I199_N2: C243.2(N2) R208.2(N2) T203.1(UNBAL_IN)
UNNAMED_3_CAP_I201_N2: C244.2(N2) R210.2(N2) T204.1(UNBAL_IN)
UNNAMED_4_CAP_I388_N1: C333.1(N1) T307.4(BAL2)
UNNAMED_4_CAP_I389_N1: C332.1(N1) T307.3(BAL1)
UNNAMED_4_CAP_I525_N1: C301.1(N1) C305.2(N2) C323.1(N1) L301.2(N2) L323.2(N2) R301.1(N1) R303.2(N2)
UNNAMED_4_CAP_I526_N1: C301.2(N2) C324.1(N1) J305.1(CNTR) L301.1(N1) L324.2(N2) R301.2(N2)
UNNAMED_4_CAP_I531_N1: C302.2(N2) C329.1(N1) J306.1(CNTR) L302.1(N1) L329.2(N2) R302.2(N2)
UNNAMED_4_CAP_I533_N1: C302.1(N1) C306.2(N2) C328.1(N1) L302.2(N2) L328.2(N2) R302.1(N1) R304.2(N2)
UNNAMED_4_CAP_I561_N1: C331.1(N1) R312.2(N2) T307.1(UNBAL)
UNNAMED_4_CAP_I563_N1: C330.1(N1) J307.1(CNTR) R312.1(N1)
UNNAMED_4_CAP_I601_N1: C335.1(N1) R313.2(N2) T308.1(UNBAL)
UNNAMED_4_CAP_I603_N1: C334.1(N1) J308.1(CNTR) R313.1(N1)
UNNAMED_4_CAP_I696_N1: C336.1(N1) T308.3(BAL1)
UNNAMED_4_CAP_I697_N1: C337.1(N1) T308.4(BAL2)
UNNAMED_5_CAP_I803_N2: C411.2(N2) R415.1(N1)
UNNAMED_5_CAP_I900_N2: C406.2(N2) R412.1(N1) R413.2(N2) R428.1(N1)
UNNAMED_5_CAP_I905_N1: C401.1(N1) J401.1(CNTR) R401.2(N2)
UNNAMED_5_CAP_I905_N2: C401.2(N2) T401.4(N3)
UNNAMED_5_CAP_I916_N1: C408.1(N1) R411.2(N2) R413.1(N1)
UNNAMED_5_CMOSNC7WV125K8X_I90_1: R427.1(N1) U403.5(A2)
UNNAMED_5_CMOSNC7WV125K8X_I90_A: R426.1(N1) U403.2(A1)
UNNAMED_5_DIOLED_I865_P: D401.A(P) R420.2(N2)
UNNAMED_5_DIOLED_I866_P: D402.A(P) R421.2(N2)
UNNAMED_5_NC7WZ17P6X_I868_Y1: R421.1(N1) U402.6(Y1)
UNNAMED_5_NC7WZ17P6X_I868_Y2: R420.1(N1) U402.4(Y2)
UNNAMED_5_RES_I897_N2: R410.2(N2) R412.2(N2) R414.1(N1)
UNNAMED_5_RES_I907_N2: R402.2(N2) T401.5(N4)
UNNAMED_6_AD9370V2_I826_DEVCL_1: C502.2(N2) U101.E7(DEV_CLK_IN+)
UNNAMED_6_AD9370V2_I826_DEVCLKI: C501.2(N2) U101.E8(DEV_CLK_IN-)
UNNAMED_6_AD9370V2_I826_RBIAS: R505.2(N2) U101.C14(RBIAS)
UNNAMED_6_AD9370V2_I832_SERDI_1: C507.2(N2) U101.P11(SERDIN0-)
UNNAMED_6_AD9370V2_I832_SERDI_2: C509.2(N2) U101.P13(SERDIN1-)
UNNAMED_6_AD9370V2_I832_SERDI_3: C511.2(N2) U101.N10(SERDIN2-)
UNNAMED_6_AD9370V2_I832_SERDI_4: C514.2(N2) U101.N13(SERDIN3+)
UNNAMED_6_AD9370V2_I832_SERDIN0: C508.2(N2) U101.P12(SERDIN0+)